# KiCad board einkPDA_keyboard.kicad_pcb (continued)
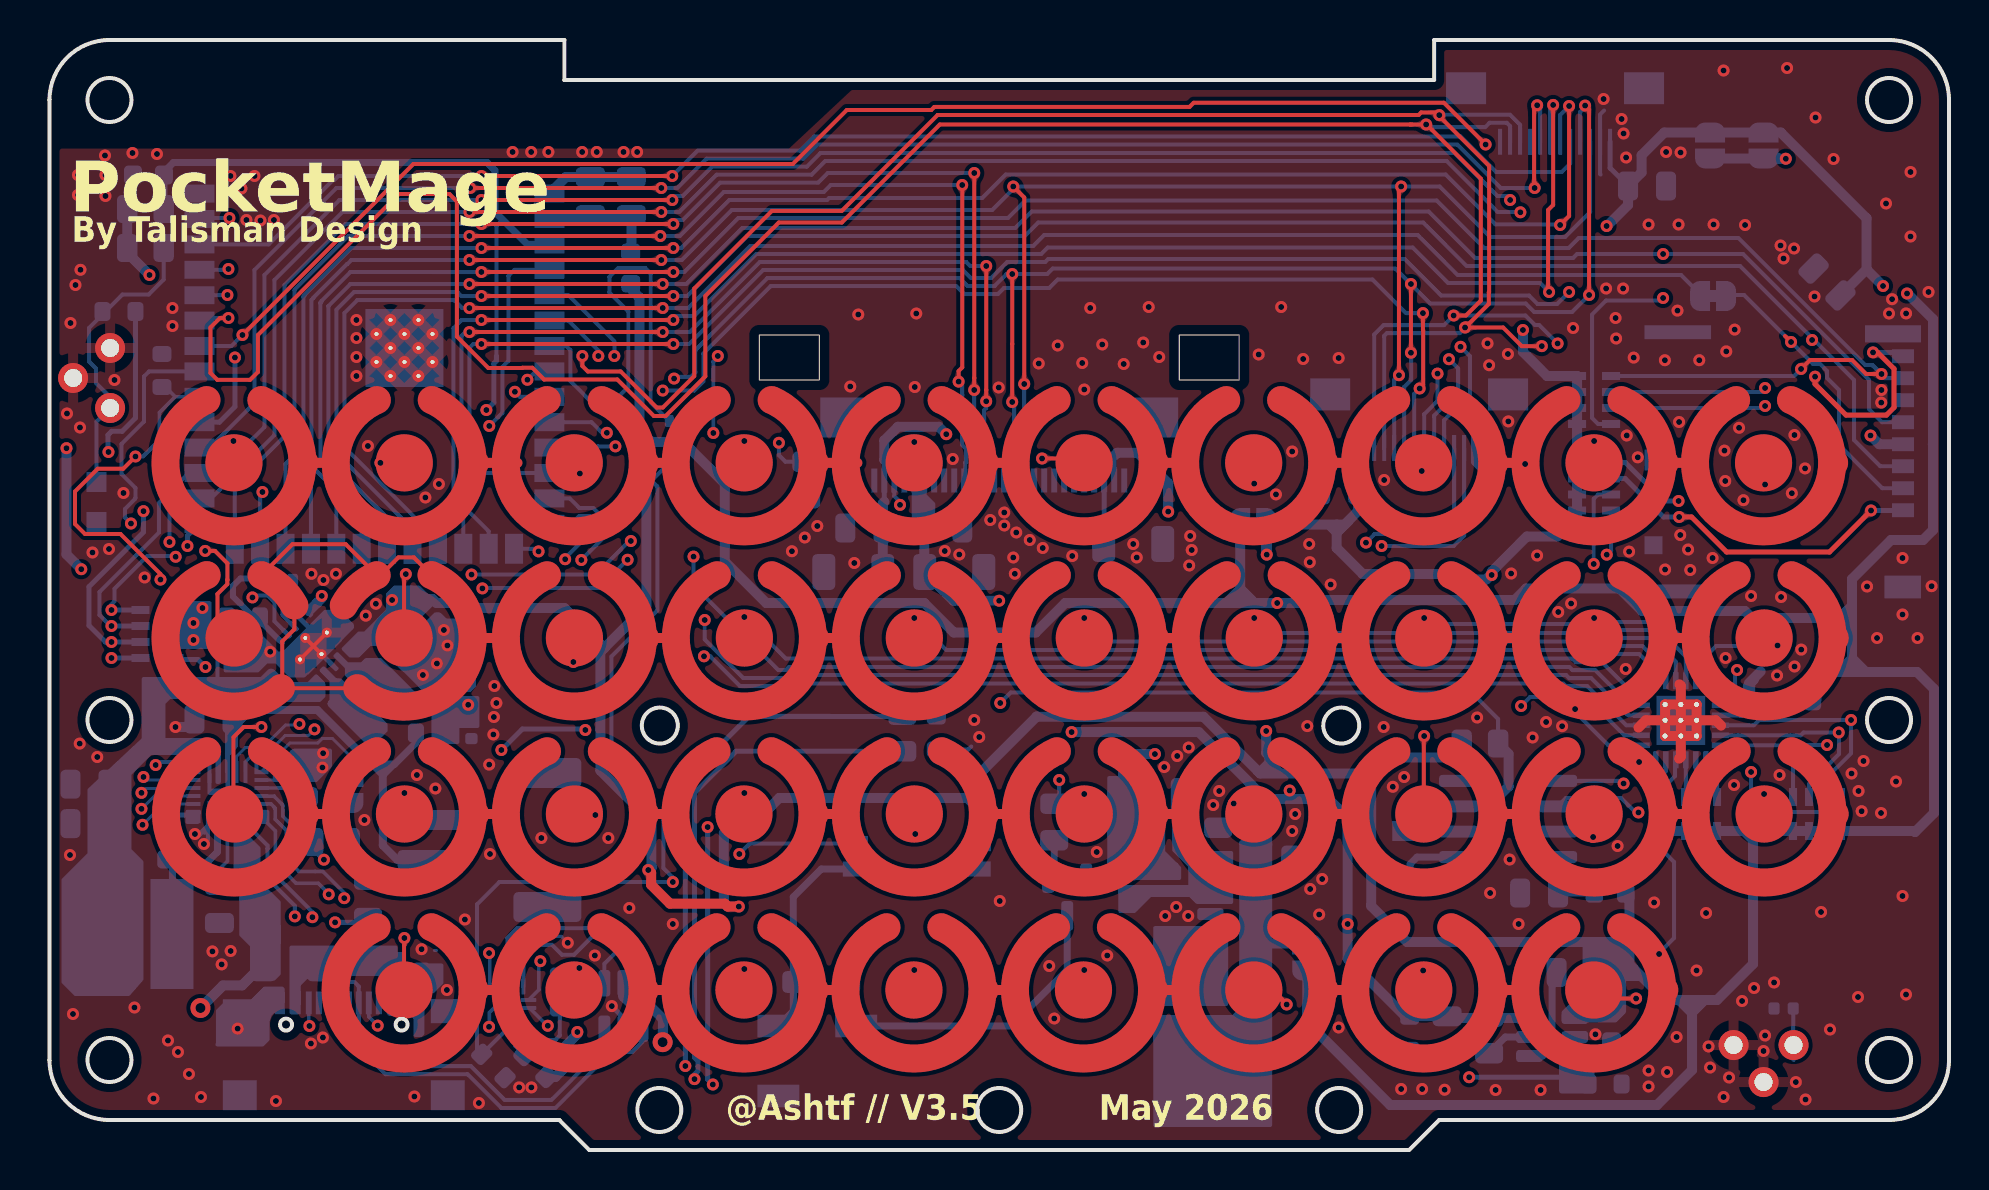
[diagram p0: board, top side]
## Routing (per net, layer and track width the routed paths; a pad name or vN(x,y) marks a point on that pad's centre or on a via; arc(x,y) is an arc through that point) (continued)
KB_INT: length 115.5
  Top w0.2: v1(21.6,40.3) v1(31.2,40.3)
  In2.Cu w0.2: 88.88,20.27 88.88,21.12 89.1,21.34 89.1,22.17 88.9,22.37 88.9,38.42 88.9,38.42 88.9,38.91 88.9,38.92 88.9,44.67 87.53,46.05 86.1,46.05 85.55,45.5 78.75,45.5 76.15,42.9 v1(76,42.9)
  Bottom w0.2: U1.12 21.65,33.85 21,34.5 21,40.1 21.2,40.3 v1(21.6,40.3) ; U5.24 87.19,20.24 87.2,20.25 ; 87.2,20.25 v1(88.9,20.25) ; 87.2,20.25 RN1.5 ; v1(76,42.9) 75.4,42.3 74.42,42.3 74,42.73 69.6,42.73 67.78,44.55 49.95,44.55 49.8,44.4 47.9,44.4 47.1,43.6 46.08,43.6 45.68,44 35.69,44 31.99,40.3 v1(31.2,40.3)
LOAD: length 106.6
  In2.Cu w0.25: v1(33.17,3.28) 33.65,3.75 61.67,3.75 61.7,3.73 69.21,3.73 69.3,3.64 v1(71,3.64) ; v1(32.92,16.15) 28.06,21 v1(26.8,21) ; v1(22.6,20) 22.09,20 20.31,21.78 20.31,22.52 20.53,22.73 20.53,25.83 22.28,27.58 22.28,34.05 19.67,36.65 12.25,36.65 v1(9.28,39.62)
  Bottom w0.2: U8.3 76.29,3.81 76.11,3.64
  Bottom w0.25: v1(32.92,16.15) 32.92,3.53 v1(33.17,3.28) ; v1(9.28,39.62) 9.28,37.16 8.5,36.39 U1.31 ; U8.3 76.14,4.7 ; v1(71,3.64) 76.11,3.64 76.39,3.91 ; v1(26.8,21) 26.75,21.05 23.65,21.05 v1(22.6,20)
OLED_CS: length 63.8
  Top w0.2: v1(21,45.7) v1(30.55,45.7) ; v1(45.65,48.25) 45.65,48.25 45.65,39.13 45.47,38.95 v1(45.47,38.42)
  Bottom w0.2: J3.17 45.8,33.52 45.8,34.38 45.85,34.38 45.85,35.05 45.65,35.25 45.65,37.75 45.65,37.75 45.65,38.24 v1(45.47,38.42) ; v1(45.65,48.25) 39.08,48.25 38.72,47.9 33.72,47.9 31.53,45.7 v1(30.55,45.7) ; U1.24 11.8,30.06 11.8,34.3 12.25,34.75 12.25,43 14.95,45.7 v1(21,45.7)
OLED_D/C: length 49.8
  Top w0.2: v1(46.85,44.2) 46.85,38 46.85,38 v1(46.85,37.44) ; v1(21,40.9) 21,40.9 v1(30.67,40.9)
  Bottom w0.2: U1.16 21.97,30.94 20.6,32.3 20.6,40.7 20.8,40.9 v1(21,40.9) ; v1(30.67,40.9) 32.03,40.9 35.53,44.4 45.85,44.4 46.05,44.2 v1(46.85,44.2) ; v1(46.85,37.44) 46.85,37.1 46.75,37 J3.15
OLED_RES: length 66.4
  Top w0.2: v1(21.6,46.3) v1(31.2,46.3) ; v1(46.25,48.85) 46.25,38.6 46.25,38.6 v1(46.25,38)
  Bottom w0.2: v1(21.6,46.3) 14.8,46.3 11.75,43.25 11.75,35.68 9.27,33.2 U1.26 ; v1(46.25,38) J3.16 ; v1(31.2,46.3) 31.4,46.5 31.67,46.5 33.54,48.37 38.44,48.37 38.92,48.85 v1(46.25,48.85)
PWR_SAVE: length 25.1
  Top w0.2: v1(4.3,34.67) 3.69,34.06 2.41,34.06 1.27,32.92 1.27,31.3 1.77,30.8 3.55,30.8 5.55,28.8 v1(5.55,28.52)
  In2.Cu w0.2: v1(10.15,27.63) 9.26,28.52 v1(5.55,28.52)
  Bottom w0.18: 6.28,37.66 5.5,36.88 5.5,35.5 ; 6.28,37.66 U1.32 ; 6.28,37.66 6.28,37.66 5.8,38.15 R9.1
  Bottom w0.2: U3.7 11.25,26.44 11.25,27.4 10.92,27.73 10.26,27.73 10.17,27.64 10.17,27.63 10.17,27.63 v1(10.15,27.63) ; 5.5,35.5 4.67,34.67 v1(4.3,34.67)
row1: length 33.7
  Top w0.5: 38.41,34.36 40.41,34.36 ; 72.39,34.36 73.91,34.36 ; 55.41,34.36 56.91,34.36 ; 46.91,34.36 48.41,34.36 ; 63.89,34.36 65.41,34.36 ; 12.89,34.36 14.41,34.36 ; 80.91,34.36 82.41,34.36 ; 21.41,34.36 23.41,34.36 ; 29.91,34.36 31.41,34.36
  In2.Cu w0.2: v1(73.6,22.2) 73.8,22.4 v1(73.8,34.3)
  Bottom w0.2: v1(73.6,22.2) 74.05,22.65 76.85,22.65 78.76,20.74 U5.8
row2: length 25.4
  Top w0.2: 12.25,27.23 12.25,26.04 11.64,25.43 11.64,23.16 11.57,23.09 15.39,23.09
  Top w0.5: SW38.2 65.23,25.6 ; SW32.2 56.73,25.6 ; SW6.2 74.23,25.6 ; SW26.2 48.23,25.6 ; SW14.2 31.23,25.6 ; 21.21,25.6 22.73,25.6 ; SW18.2 82.23,25.6 ; SW20.2 40.23,25.6
  Bottom w0.2: v1(76.3,22.05) 76.3,21.9 77.96,20.24 U5.7
row3: length 15.4
  Top w0.5: SW3.2 14.23,16.8 ; 38.21,16.8 39.73,16.8 ; 63.71,16.8 65.23,16.8 ; SW15.2 31.23,16.8 ; SW33.2 56.73,16.8 ; SW23.2 82.23,16.8 ; SW27.2 48.73,16.8 ; SW9.2 23.23,16.8 ; SW11.2 73.73,16.8
  Bottom w0.2: v1(79.5,19.4) 79.61,19.51 U5.6
row4: length 21.2
  Top w0.5: 21.21,8 22.73,8 ; SW34.2 56.73,8 ; 38.21,8 39.73,8 ; 46.71,8 48.23,8 ; 63.71,8 65.23,8 ; 29.71,8 31.23,8 ; SW12.2 73.73,8
  Bottom w0.2: U5.5 80.84,18.94 80.4,18.5 80.4,15.25 81.25,14.4 81.25,10.6 80.5,9.85 v1(80.5,9.8)
RTC_INT: length 97.8
  In2.Cu w0.2: v1(33.2,35.85) 33.4,36.05 43.45,36.05 44.58,34.92 44.58,32.27 46.12,30.73 46.12,23.78 v1(47.55,22.35) ; v1(33.42,39.7) 33.42,41.95 32.85,42.52 32.85,47.85 31.4,49.3 11.7,49.3 v1(9,46.6)
  Bottom w0.2: U4.3 69.98,17.19 ; v1(47.55,22.35) 48.08,22.88 71.12,22.88 72.45,21.55 R11.1 ; v1(33.2,35.85) 33.2,39.42 33.42,39.65 v1(33.42,39.7) ; U1.39 7.55,46.6 v1(9,46.6)
  Bottom w0.5: U4.3 71.99,17.19 72.97,18.17 72.97,19.8 R11.1
RX: length 77
  In2.Cu w0.2: v1(8.9,42.75) 14.05,37.6 22.1,37.6 23.15,36.55 27.01,36.55 27.43,36.97 45.81,36.97 45.83,37 45.87,37 46.47,36.4 63.2,36.4 64.2,35.4 64.2,29.98 64.42,29.75 66.25,29.75 66.62,30.12 v1(66.62,30.2)
  Bottom w0.2: J5.11 70.75,30.73 70.22,30.2 v1(66.62,30.2) ; U1.36 8.89,42.74 v1(8.9,42.75)
SD_CLK: length 111.8
  Top w0.2: v1(30.67,43.3) 21,43.3 v1(21,43.3)
  In2.Cu w0.2: v1(80.7,42.6) v1(80.7,44.8)
  Bottom w0.2: U1.20 16.89,31.62 13.95,34.55 13.95,34.69 13.95,34.69 13.95,42.18 13.95,42.18 13.95,42.2 15.05,43.3 v1(21,43.3) ; v1(80.7,42.6) 80.57,42.47 77.85,42.47 77.15,41.78 77.15,36.6 77.45,36.3 RN3.8 ; J4.5 91.66,36.39 91,37.04 91,38.5 84.7,44.8 76.4,44.8 76.2,44.6 71.3,44.6 68.97,46.92 49.12,46.92 48.3,46.1 34.65,46.1 31.85,43.3 v1(30.67,43.3)
SD_CMD: length 111.8
  Top w0.2: v1(21.6,42.7) v1(31.2,42.7)
  In2.Cu w0.2: v1(88.15,40.5) 87.7,40.05 87.7,40 v1(85.8,38.1)
  Bottom w0.2: v1(31.2,42.7) 31.9,42.7 34.9,45.7 48.77,45.7 49.45,46.38 68.7,46.38 70.88,44.2 84.55,44.2 90.25,38.5 90.25,35.5 91.56,34.19 J4.3 ; RN3.6 85.6,37.9 v1(85.8,38.1) ; v1(21.6,42.7) 21.6,42.7 21.25,42.7 21.25,42.7 20.75,42.7 20.75,42.7 20.6,42.7 20.4,42.9 15.23,42.9 14.35,42.02 14.35,34.85 18.16,31.05 U1.19
SD_CS: length 84.8
  Top w0.2: v1(21,42.1) 21,42.1 v1(30.67,42.1)
  Bottom w0.2: 82.6,42.75 81.6,43.75 70.43,43.75 68.43,45.75 49.75,45.75 49.2,45.2 35.05,45.2 31.95,42.1 v1(30.67,42.1) ; v1(21,42.1) 20.64,42.1 20.24,42.5 15.4,42.5 14.75,41.85 14.75,35.15 19.42,30.48 U1.18
SD_D0: length 113.7
  Top w0.2: v1(91.63,38.8) 90.85,38.8 90.15,39.5 88.05,39.5 v1(87.6,39.05) ; v1(21.6,43.9) v1(31.2,43.9)
  Bottom w0.2: 91.15,39.25 91.19,39.21 91.22,39.21 v1(91.63,38.8) ; 91.15,39.25 91.81,38.59 J4.7 ; 91.15,39.25 90.82,39.25 84.47,45.6 76.48,45.6 75.98,45.1 71.75,45.1 69.38,47.48 48.81,47.48 47.94,46.6 34.45,46.6 31.75,43.9 v1(31.2,43.9) ; U1.21 15.61,32.29 13.6,34.3 13.6,34.34 13.55,34.39 13.55,34.52 13.55,34.52 13.55,42.35 13.55,42.35 13.55,42.37 13.6,42.42 13.6,42.45 15.05,43.9 19.15,43.9 19.15,43.9 19.65,43.9 19.65,43.9 ; 19.65,43.9 20,43.9 ; 19.65,43.9 19.65,43.9 21.6,43.9 v1(21.6,43.9) ; v1(87.6,39.05) 87.25,38.7 RN3.5
SD_D1: length 110.2
  Top w0.25: v1(91.2,39.88) 91.43,39.88 92.25,39.06 92.25,37.13 91.87,36.74 89.85,36.74 88.3,38.29 v1(88.3,38.67)
  In2.Cu w0.2: v1(91.2,39.88) 90.7,40.38 90.7,45.75 87.5,48.95 79.17,48.95 79.1,49.02 75.3,49.02 75.15,49.17 74.47,49.17 70.87,52.77 40.3,52.77 34.12,46.6 34.12,39.55 33.67,39.1 33.18,39.1 32.58,39.7 v1(28.25,39.7)
  In2.Cu w0.25: v1(81.47,32.45) 81.92,32.45 83.55,34.08 84.06,34.08 85.12,35.14 85.12,35.49 v1(88.3,38.67)
  Bottom w0.2: U1.5 25.95,42.74 28.25,40.44 v1(28.25,39.7)
  Bottom w0.25: v1(81.47,32.45) 80.74,32.45 78.81,34.38 RN5.5 ; J4.8 92.51,39.88 v1(91.2,39.88)
SD_D2: length 110.3
  Top w0.25: v1(91.1,31.98) 89.03,29.9 83.88,29.9 82.13,31.65 v1(81.5,31.65)
  In2.Cu w0.2: v1(27.45,39.7) 27.45,39.65 28,39.1 28.5,39.1 28.7,39.3 32.41,39.3 33.01,38.7 33.84,38.7 34.53,39.39 34.53,46.44 40.47,52.37 70.7,52.37 74.3,48.77 74.83,48.77 75.28,48.33 87.43,48.33 90.3,45.45 90.3,32.78 v1(91.1,31.98)
  Bottom w0.2: U1.6 25.95,41.47 27.45,39.97 v1(27.45,39.7)
  Bottom w0.25: J4.1 92.69,31.98 v1(91.1,31.98) ; v1(81.5,31.65) 80.72,31.65 78.8,33.58 78.1,33.58
SPI_MISO_SWITCHED: length 58.4
  Top w0.2: v1(68.52,38.08) 68.7,38.25 68.7,40.99 68.69,41 v1(68.69,41.84)
  In2.Cu w0.2: v1(30.67,37.97) 30.42,37.97 30.36,37.91 v1(23.28,37.91)
  Bottom w0.2: U1.9 23.53,37.66 v1(23.28,37.91) ; v1(30.67,37.97) 32.25,37.97 32.7,38.42 32.7,39.83 36.07,43.2 45.35,43.2 45.75,42.8 47.43,42.8 47.73,43.1 50,43.1 50.42,43.52 66.17,43.52 67.85,41.84 v1(68.69,41.84) ; J5.6 68.25,37.8 v1(68.52,38.08)
SPI_MOSI_SWITCHED: length 112.6
  Top w0.2: v1(48.75,38.3) 48.75,47.62 v1(48.2,48.17) ; v1(67.6,48.17) 67.49,48.07 67.49,39.36 v1(67.49,38.74) ; v1(30.6,44.5) v1(21,44.5)
  Bottom w0.2: J3.11 48.75,38.25 48.75,38.25 v1(48.75,38.3) ; v1(21,44.5) 15.1,44.5 14.9,44.3 14.88,44.3 13.2,42.62 13.2,42.6 13.1,42.5 13.1,34.2 14.34,32.96 U1.22 ; J5.4 67.25,38.5 v1(67.49,38.74) ; v1(30.6,44.5) 31.62,44.5 34.12,47 47.15,47 48.2,48.05 v1(48.2,48.17) v1(67.6,48.17) 69.53,48.17 72.05,45.65 75.8,45.65 77.05,46.9 J2.10
SPI_SCK_SWITCHED: length 89.1
  Top w0.2: v1(48.15,43.8) 48.15,40.3 48.15,40.3 v1(48.15,37.4) ; v1(77,42.75) 77,52.02 v1(76.8,52.22) ; v1(68.09,43.3) v1(68.09,39.86)
  In2.Cu w0.2: v1(31.24,38.57) 30.22,38.57 30.15,38.5 23.91,38.5 v1(23.9,38.51)
  Bottom w0.2: U1.8 24.32,38.93 v1(23.9,38.51) ; J5.5 67.75,38.15 68.1,38.5 68.1,39.85 v1(68.09,39.86) ; v1(76.8,52.22) 76.75,52.17 76.75,52.1 76.55,51.9 J2.9 ; v1(48.15,37.4) 48.25,37.3 J3.12 ; v1(31.24,38.57) 31.33,38.66 32.09,38.66 32.3,38.87 32.3,39.99 35.91,43.6 45.52,43.6 45.92,43.2 47.27,43.2 47.87,43.8 v1(48.15,43.8) 49.9,43.8 50.17,44.08 67.3,44.08 69.05,42.32 73.83,42.32 74.26,41.9 76.15,41.9 v1(77,42.75)
TX: length 76.3
  In2.Cu w0.2: v1(8.95,44.05) 8.95,43.6 14.55,38 22.27,38 23.19,37.08 26.97,37.08 27.26,37.37 45.64,37.37 45.67,37.4 46.03,37.4 46.63,36.8 63.6,36.8 64.65,35.75 64.65,30.48 64.69,30.43 65.74,30.43 65.81,30.37 v1(65.84,30.37)
  Bottom w0.2: v1(8.95,44.05) 8.91,44.01 U1.37 ; J5.10 70.25,31.12 69.93,30.8 66.27,30.8 v1(65.84,30.37)
USB_5V: length 34
  In2.Cu w0.5: v2(30.66,5.39) 30.35,5.08 16.04,5.08 15.12,4.16 10.7,4.16 9.66,5.2 8.7,5.2 7.55,6.35 v2(7.55,7.1)
  Bottom w0.5: v2(30.66,5.39) 30.68,5.4 30.68,6.55 30.03,7.2 29.18,7.2 28.7,7.68 U2.5 ; 10.7,8.9 10.7,9.3 9.63,8.23 8.68,8.23 v2(7.55,7.1)
USB_D+: length 11.4
  Bottom w0.2: U2.6 29.65,9.36 29,10.01 29,10.4 28.31,11.09 23.39,11.09 22.9,10.6 U10.3
USB_D-: length 9.9
  Bottom w0.2: U10.5 23.7,9.48 24.48,10.26 25.13,10.26 25.63,9.76 26.23,9.76 27.12,10.65 27.99,10.65 28.4,10.24 28.4,9.88 28.38,9.86 28.3,9.86 27.75,9.31 U2.4 ; 27.75,8.65 27.75,8.04
USB_SW: length 22.3
  Bottom w0.2: U1.7 25.85,40.2 26.05,40 26.05,38.45 27.05,37.45 28.25,37.45 28.95,38.15 28.95,41.93 28,42.88 28,43.65 28.45,44.1 29.8,44.1 30.07,43.83 30.07,37.38 D5.2
V_LOADSWITCH: length 223.5
  In2.Cu w0.5: v1(60.88,29.77) 60.88,29.76 62.15,28.49 62.15,18.1 v1(62.03,17.97) ; v1(51.12,20.9) 51.12,20.89 51.1,20.88 47.5,24.48 v1(47.5,27.46) ; v1(64.92,11.3) 64.92,9.58 67.68,6.82 82.4,6.82 90.34,14.76 91.24,14.76 93.85,17.38 93.85,23.42 92.67,24.6 92.67,25.39 91.85,26.21 91.85,35.62 91.75,35.73 v1(91.07,35.73) 92.03,35.73 93.07,36.77 93.07,39.42 91.25,41.25 91.25,42.75 v1(91.7,43.2) ; v1(72.13,28.75) 71.78,29.1 71.78,29.15 69.5,31.43 69.5,33.75 69.5,33.75 69.5,34.44 73.69,38.63 v1(73.69,41) 73.69,43.16 76.73,46.2 v1(77.88,46.2)
  Bottom w0.25: J2.12 78.05,49.1 C21.2
  Bottom w0.5: JP7.1 60.85,29.8 v1(60.88,29.77) 60.88,31.27 64.38,31.27 ; 64.38,31.27 64.38,30.1 65.67,28.8 70.38,28.8 70.65,28.52 71.85,28.52 72,28.67 72.05,28.67 v1(72.13,28.75) 72.13,28.91 73.89,30.67 75.4,30.67 76.4,31.67 RN3.4 74.9,38.7 73.69,39.91 v1(73.69,41) ; 64.38,31.27 64.77,31.27 65.45,31.95 C22.2 65.45,34.85 65.7,35.1 ; 60.76,16.31 60.2,15.75 C10.2 ; J4.4 91.51,35.29 v1(91.07,35.73) ; v1(62.03,17.97) 62.03,17.59 61.99,17.55 ; 62.88,10.33 60.86,10.33 U7.5 ; U8.6 69.99,6.6 C5.1 67.8,6.69 64.92,9.56 64.92,16.6 63.97,17.55 61.99,17.55 ; C17.1 43.75,28.92 C16.1 45.21,27.46 v1(47.5,27.46) ; v1(91.7,43.2) 90.88,44.02 90.88,44.03 ; 60.8,15.65 60.88,15.72 60.88,17.55 61.99,17.55 ; v1(51.12,20.9) 57.48,20.9 60.82,17.55 61.99,17.55 ; 60.88,15.25 60.9,15.28 60.9,16.45 ; 90.88,44.03 C24.1 ; 90.88,44.03 90.88,46.59 86.59,50.88 JP9.1 JP8.1 80.76,50.88 79.62,49.74 79.62,48.88 C21.2 78.95,47.25 77.88,46.17 v1(77.88,46.2)
V_SYS: length 18
  Bottom w0.2: 8.92,26.65 8.4,26.13 8.4,23.2 7.85,22.65
  Bottom w0.25: U9.13 8.45,19.51 8.42,19.54 8.42,19.87 8.04,20.26 8.04,20.27
  Bottom w0.4: 8.04,20.27 7.96,20.35 5.17,20.35 3.6,18.78 3.6,13.09 2.77,12.26
Net-(BZ1--): length 16.8
  Bottom w0.35: Q1.3 50.9,9 48.1,6.2 BZ1.2 40,6.55 D3.2
Net-(C20-Pad2): length 10
  Bottom w0.25: 17.13,8.83 14.53,8.83
  Bottom w0.5: J1.A4 17.12,8.38 16.5,9 12.9,9 12.32,8.42 J1.A9
Net-(D1-A): length 2.5
  Bottom w0.25: R16.1 15.01,14.12 15.9,13.24
Net-(D1-K): length 17.6
  In2.Cu w0.2: v1(14.28,11.38) 14.28,11.52 12.4,13.4 8.4,13.4 6,15.8 6,18.56 v1(5.31,19.25)
  Bottom w0.2: v1(5.31,19.25) 5.31,19.31 5.4,19.4 6.92,19.4 7.17,19.14
  Bottom w0.25: 15.9,11.36 15.88,11.38 v1(14.28,11.38)
Net-(D5-K): length 54
  In2.Cu w0.2: v1(31.17,13.4) 31.17,13.97 32,14.8 v1(34.5,14.8)
  Bottom w0.2: U10.10 22.9,6.07 R18.1 21.38,5.02 21.38,12.28 22.5,13.4 v1(31.17,13.4) 31.17,13.62 30.7,14.1 30.7,16.6 28.1,19.2 28.1,24.67 30.4,26.97 30.4,33.18 30.11,33.46 D5.1 ; v1(34.5,14.8) 35.02,15.32 SW4.4
Net-(J1-CC1): length 21.8
  In2.Cu w0.18: v1(16.41,6.22) 14.9,4.7 10.92,4.7 10.2,5.42 10.2,8.97 12.03,10.8 12.03,11.44 v1(12.27,11.68)
  Bottom w0.18: v1(16.41,6.22) 15.97,6.66 J1.A5
  Bottom w0.2: U9.1 9.8,16.33 10.91,15.22 10.91,15.08 10.9,15.07 10.9,13.58 12.27,12.21 v1(12.27,11.68)
Net-(J1-CC2): length 18
  In2.Cu w0.18: v1(13,6.2) 13,6.18 12.12,5.3 11.03,5.3 10.88,5.45 10.88,9.11 11.96,10.2 12.55,10.2 12.56,10.21 13.14,10.21 13.15,10.22 v1(13.15,11.64)
  Bottom w0.18: 11.3,14.9 11.3,15.95 U9.22 ; v1(13,6.2) 12.97,6.23 J1.B5
  Bottom w0.2: 11.3,14.9 11.3,13.75 13.15,11.9 v1(13.15,11.64)
Net-(J1-D+-PadA6): length 22.9
  Bottom w0.2: J1.B6 13.97,6.54 14.21,6.3 14.97,6.3 J1.A6 14.97,5.63 16.81,3.79 20.91,3.79 22.6,2.1 25.3,2.1 28.1,4.9 29.15,4.9 29.65,5.4 U2.1
Net-(J1-D--PadA7): length 20.1
  Bottom w0.2: J1.A7 14.47,8.18 14.69,8.4 15.25,8.4 15.47,8.18 J1.B7 15.47,5.73 17.01,4.19 21.08,4.19 22.77,2.5 25.1,2.5 27.75,5.15 U2.3
Net-(J3-Pin_3): length 3.2
  Bottom w0.25: J3.3 52.75,30.32 52.72,30.3
Net-(J3-Pin_24): length 10.8
  In2.Cu w0.2: v1(36.48,35.36) 39.58,32.26 v1(42.54,32.26)
  Bottom w0.2: v1(36.48,35.36) 36.48,34.74 36.81,34.41 R20.1 ; J3.24 42.25,32.69 42.54,32.4 v1(42.54,32.26)
Net-(J4-DAT3/CD): length 27
  Top w0.2: v1(87.1,40.4) 86.8,40.7
  In2.Cu w0.2: v1(85.8,37.2) 85.2,37.8 85.2,38.5 v1(87.1,40.4)
  Bottom w0.2: 83.9,42.75 84.75,42.75 88.2,39.3 88.55,39.3 88.9,38.95 88.9,38.6 89.5,38 89.5,35.25 91.66,33.09 J4.2 ; RN3.7 85.7,37.1 v1(85.8,37.2)
Net-(JP6-B): length 6.8
  Bottom w0.15: U9.17 10.57,18.9 12.02,20.35 13.42,20.35 13.65,20.58 14.15,20.58 14.95,19.78 JP6.2
Net-(Q1-B): length 2
  Bottom w0.35: R15.2 50.25,13.89 Q1.1
Net-(RN1-R1.2): length 14.6
  In2.Cu w0.2: v1(84.4,24) 85.1,23.3 v1(85.1,18.9)
  Bottom w0.2: U5.20 84.23,22.24 84.3,22.31 84.3,23.9 v1(84.4,24) ; RN1.8 89.6,17.2 89.3,16.9 85.8,16.9 85.1,17.6 v1(85.1,18.9)
Net-(RN2-R1.1): length 2
  Bottom w0.2: U5.4 81.3,19.47 81.3,18.7 81,18.4 RN2.1
Net-(RN2-R2.1): length 1.9
  Bottom w0.2: U5.3 81.84,17.69 RN2.2
Net-(RN2-R3.1): length 2
  Bottom w0.2: U5.2 82.34,18.7 82.6,18.44 RN2.3
Net-(RN2-R4.1): length 2.1
  Bottom w0.2: RN2.4 83.4,18.3 82.84,18.86 U5.1
Net-(RN4-R1.1): length 16.9
  In2.Cu w0.15: v1(4.6,17.86) 3.14,17.86 0.93,20.07 0.93,24 1.53,24.6 v1(3.1,24.6)
  Bottom w0.15: U9.9 7.18,18.08 4.82,18.08 v1(4.6,17.86) ; v1(3.1,24.6) 4.9,24.6
  Bottom w0.25: v1(3.1,24.6) RN4.1
Net-(RN4-R1.2): length 22.6
  In2.Cu w0.25: 9.01,23.66 10.72,21.95 13.22,21.95 14.31,20.86 14.31,15.1 v1(13.72,14.52) ; 9.01,23.66 8.62,24.05 ; 9.01,23.66 8.53,24.15 v1(7.8,24.15)
  Bottom w0.18: U9.19 12.42,18.1
  Bottom w0.25: v1(7.8,24.15) 7.42,24.53 6.33,24.53 RN4.8 ; v1(13.72,14.52) 13.19,15.05 R16.2 13.19,17.28 12.42,18.05
Net-(U1-3V3): length 5.7
  Bottom w0.5: 29.1,46.55 U1.2 ; C2.2 29.1,45.16
Net-(U1-IO0): length 16
  In2.Cu w0.25: v1(2.95,34.9) 2.95,34 3.47,33.48 4.42,33.48 6.9,31 v1(6.9,30.2)
  Bottom w0.25: v1(6.9,30.2) 6.9,30.71 U1.27 ; 4.3,41.77 4.3,36.6 3.63,35.93 3.11,35.93 2.92,35.75 2.92,34.92 v1(2.95,34.9)
Net-(U3-EN): length 8.9
  Bottom w0.2: 10.53,26.46 R2.1 ; U3.8 11.65,26.75 11.65,28.05 C7.1
  Bottom w0.3: 11.32,28.58 9.55,28.58 9.17,28.2 9.17,27.67 10.19,26.66 R2.1 ; U3.6 10.53,26.46
Net-(U4-OSCI): length 3
  Bottom w0.35: U4.1 68.4,14.64 68.05,14.3 68.05,13.9
Net-(U4-OSCO): length 1.9
  Bottom w0.35: 70.47,15.92 68.53,15.92
Net-(U4-VDD): length 3.2
  Bottom w0.35: U4.8 75.43,12.88 C9.2 76.89,12.85
Net-(U5-VCC): length 3
  Bottom w0.25: 86.24,22.5 85.86,22.12 C8.1 84.62,21.74 U5.21
Net-(U8-CT): length 4.9
  Bottom w0.35: 75.53,8.59 75.15,8.21 75.15,5.18 74.67,4.7 U8.4
Net-(U8-QOD): length 2.3
  Bottom w0.35: U8.5 72.81,5.65 R5.2
Net-(U9-BST): length 2.2
  Bottom w0.25: C27.2 5.86,16.61 6,16.75 7.32,16.75 7.45,16.87
Net-(U9-NTC1): length 71
  In2.Cu w0.25: v1(4.7,18.65) 5.28,18.07 5.28,7.81 8.59,4.5 9.55,4.5 10.46,3.58 15.36,3.58 16.28,4.5 31.5,4.5 v1(31.8,4.2)
  Bottom w0.15: v1(4.7,18.65) 4.85,18.5 U9.10
  Bottom w0.25: 39.04,21.67 39.03,21.68 34.98,21.68 31.8,18.5 v1(31.8,4.2) ; TH1.1 38.64,21.67
Net-(U9-PMID): length 3.8
  Bottom w0.18: C23.2 8.5,14.04 8.9,14.44 U9.3
Net-(U9-SW): length 12.9
  Bottom w0.25: U9.4 8.45,16.02 8.4,15.97 ; 6.53,9.92 6.53,13.28
  Bottom w0.35: C27.1 6.15,14.23 6.15,12.72 6.61,12.26 ; 8.4,15.97 8.4,14.9 6.62,13.12 6.62,10.65
Net-(U9-VRNTC): length 67.6
  In2.Cu w0.25: v1(4.65,16.26) 4.65,7.79 8.4,4.05 9.35,4.05 10.27,3.13 15.55,3.13 16.31,3.9 31.21,3.9 31.54,3.57 32.06,3.57 32.14,3.66 v1(32.26,3.54)
  Bottom w0.15: v1(4.65,16.26) 5.69,17.3 U9.7
  Bottom w0.25: v1(32.26,3.54) 32.26,3.77 32.43,3.94 32.43,4.46 32.26,4.63 32.26,17.86 34.34,19.94 43.05,19.94
Net-(U10-~{OE}): length 3.9
  Bottom w0.2: U10.8 23.7,6 24.2,5.5 25.3,5.5 25.52,5.72 25.52,7.05 R3.1

## Copper pours and planes (outline as drawn; the poured copper is in the pictures)
+3.3V on Bottom (solid shape): 5.85,27.35 8,27.35 8,25.15 5.85,25.15
+3.3V on Bottom (solid shape): 76.78,7.92 76.78,10.21 78.75,10.21 78.75,6.92 78.31,6.48 75.72,6.48 75.72,6.88
+3.3V on Bottom (solid shape): 79,9.33 79.7,8.62 79.62,8.55 78.47,8.55 78.38,8.65 78.38,9.05 78.65,9.33
+3.3V on Bottom (solid shape): 15.47,25.83 15.78,25.83 16.92,26.98 16.92,27.77 17.27,28.12 18.48,28.12 19.08,27.52 19.08,27.25 16.92,25.1 16.62,25.1 16.42,25.3 16.02,25.3 15.44,24.72 15.06,24.72 14.72,25.06
+12V on Bottom (solid shape): 53,13.6 53,18.6 54.45,18.6 54.45,13.6
+12V on Bottom (solid shape): 53.55,13.6 56.5,13.6 56.5,14.1 55.7,14.9 55.7,16.35 53.55,16.35
GND on Bottom (solid shape): 71.7,33.86 72.26,33.86 72.26,36.14 72.13,36.27 71.19,36.27 71.19,34.37
GND on Bottom (solid shape): 14.03,19.97 12.26,19.97 11.27,18.98 11.27,18.5 13.33,18.5 14.03,19.2
GND on Bottom (solid shape): 21.22,26.48 19.72,26.48 19.42,26.77 19.3,26.77 17.28,24.75 17.28,24.47 18.75,23 21.03,23 21.22,23.2
GND on Bottom (solid shape): 11.63,8.07 10.77,8.07 10.09,7.4 8.88,7.4 8.42,6.95 8.42,5.3 8.4,5.28 10.65,5.28 10.91,5.53 10.91,6.44 11.01,6.75 11.67,7.41 11.67,8.03
GND on Bottom (solid shape): 17.79,7.86 18.27,8.34 18.27,9.23 18.27,9.23 19.6,9.23 19.6,8.37 19.16,7.93 18.83,7.93 18.65,7.76 18.65,5.83 18.58,5.75 18.3,5.75 18.3,6.61 17.79,7.12
GND on Bottom (solid shape): 15.12,26.13 12.72,23.72 12.05,23.72 11.35,24.42 10.85,24.42 10.41,23.98 8.81,23.98 8.81,25.75 8.92,25.87 9.58,25.87 9.7,25.35 9.7,25.42 9.58,25.85 9.38,25.58 9.55,25.62 9.83,25.58 9.58,25.67 9.47,25.73 9.58,25.75 9.6,25.7 9.53,25.88 9.82,25.88 9.9,25.85 10.39,25.85 11.47,24.77 11.47,24.83 11.71,24.83 13.79,26.91 14.47,26.91 15.12,26.25
GND on In1.Cu (solid shape): 14.86,26.62 14.86,24.3 14.02,23.46 11.74,23.46 11.53,23.67 11.53,25.53 12.61,26.62
GND on In1.Cu (solid shape): 81.99,23.09 80.94,23.09 80.95,23.07 79.94,22.05 79.94,20.39 79.95,20.4 80.54,19.81 82.46,19.81 82.42,19.8 82.41,19.76 83.29,20.64 83.29,21.79
GND on In2.Cu (solid shape): 14.86,26.65 14.99,26.52 14.99,23.92 14.55,23.48 12.15,23.48 11.57,24.06 11.57,26.07 12.14,26.64 12.88,26.64 12.89,26.65
GND on In2.Cu (solid shape): 82.05,23.08 80.9,23.08 80.91,23.06 79.9,22.05 79.9,20.38 79.93,20.4 80.53,19.8 82.42,19.8 82.45,19.75 83.25,20.55 83.25,21.88
GND on Top, Bottom, In1.Cu, In2.Cu: 99,59.5 -5,59.5 -5,-4.5 99,-4.5
BAT+ on Bottom (solid shape): 8.91,18.93 8.91,17.97 8,17.97 8,17.85 8.93,17.85 8.93,18.93
BAT_MEAS on Bottom (solid shape): 19.2,22.6 19.2,20.4 20.4,20.4 20.4,21.2 21.4,21.2 21.4,22.6
LOAD on Bottom (solid shape): 75.75,4.9 77.15,4.9 77.18,4.88 77.18,2.92 75.62,2.92 75.6,2.95 75.6,4.75
USB_5V on Bottom (solid shape): 9.39,16.04 9.51,16.04 10.46,15.08 10.46,13.39 11.47,12.38 11.47,8.82 11.22,8.57 10.31,8.57 10.13,8.75 10.13,10.22 9.59,10.76 9.59,13.64 9.31,14.01 9.31,17.21 9.38,17.21
V_LOADSWITCH on Bottom (solid shape): 43.77,33.98 43.22,33.98 43.22,30.63 43.35,30.5 44.2,30.5 44.2,32.3 43.77,32.73
V_LOADSWITCH on Bottom (solid shape): 59.6,15.3 59.6,7.05 59.2,6.65 55.3,6.65 55.3,1.25 61.05,1.25 61.05,15.3
V_SYS on Bottom (solid shape): 13.7,22.7 13.5,22.5 9.75,22.5 9.75,23.55 11.58,23.55 11.83,23.3 12.95,23.3 13.33,23.67 13.7,23.3
V_SYS on Bottom (solid shape): 9.75,22.5 9.6,22.65 6,22.65 5.7,22.35 5.7,20.4 4.71,20.4 4.71,23.55 9.75,23.55
V_SYS on Bottom (solid shape): 3.95,7.8 4.6,8.54 4.6,14.4 4,15 4,18.8 5.05,19.85 8.15,19.85 8.4,19.6 8.4,18.4 8.47,18.4 8.47,20.15 8.12,20.5 4.67,20.5 2,18 2,14.8 0.7,13.5 0.7,8.4 1.3,7.8
Net-(C20-Pad2) on Bottom (solid shape): 12.1,6.89 12.1,10.12 17.31,10.12 17.31,9.8 17.6,9.8 17.6,8.4 17.3,8.4 17.3,6.8 17,6.8 17,8.3 16.5,8.8 13,8.8 12.4,8.2 12.4,6.89
Net-(D2-A) on Bottom (solid shape): 58.85,11.1 58.85,7.3 55.3,7.3 55.3,11.1
Net-(U3-L1) on Bottom (solid shape): 13.61,23.98 14.1,23.49 14.1,22.46 14.02,22.38 14.02,22.25 15.86,20.41 16.24,20.41 16.81,20.98 16.81,21.26 14.55,23.48 14.29,23.5 13.71,24.08
Net-(U3-L2) on Bottom (solid shape): 14.39,24.79 14.89,24.29 15.63,24.29 15.84,24.5 16.55,24.5 18.3,22.75 18.3,22.5 17.4,21.6 17.09,21.6 14.88,23.76 14.88,24.12 14.3,24.7
Net-(U7-FB) on Bottom (solid shape): 57.05,13.15 53.55,13.15 53.55,11.95 54.25,11.95 55.05,12.75 57.05,12.75
Net-(U7-FB) on Bottom (solid shape): 59.1,12.4 59.1,14.85 57.75,14.85 57.15,15.45 57.15,16.35 56.25,16.35 56.25,15 57.05,14.2 57.05,12.75 57.4,12.4

Small or netless copper shapes (teardrops, artwork), in the pictures only: 241 on Bottom, 93 on Top, 201 on In2.Cu

## Text on the board
B.Silkscreen: Free Parking | Max out your / Roth IRA | BOOT | Designed in Phoenix by Talisman Design | A ship is safe / in a harbor, / but that's not / what ships / are for. | OLED | Expansion | Screen | PROGRAM | MUTE
F.Silkscreen: By Talisman Design | @Ashtf // V3.5 | May 2026 | PocketMage
